# Altium PCB PM06-底层中央板-V1.PcbDoc
Units mm, origin at the board's own origin, x right, y up, seen from the top; angles counter-clockwise.
Board outline 94 x 55 mm, 2 copper layers (Top Layer, Bottom Layer); 20 components, 28 nets, 131 pads, 30 vias.
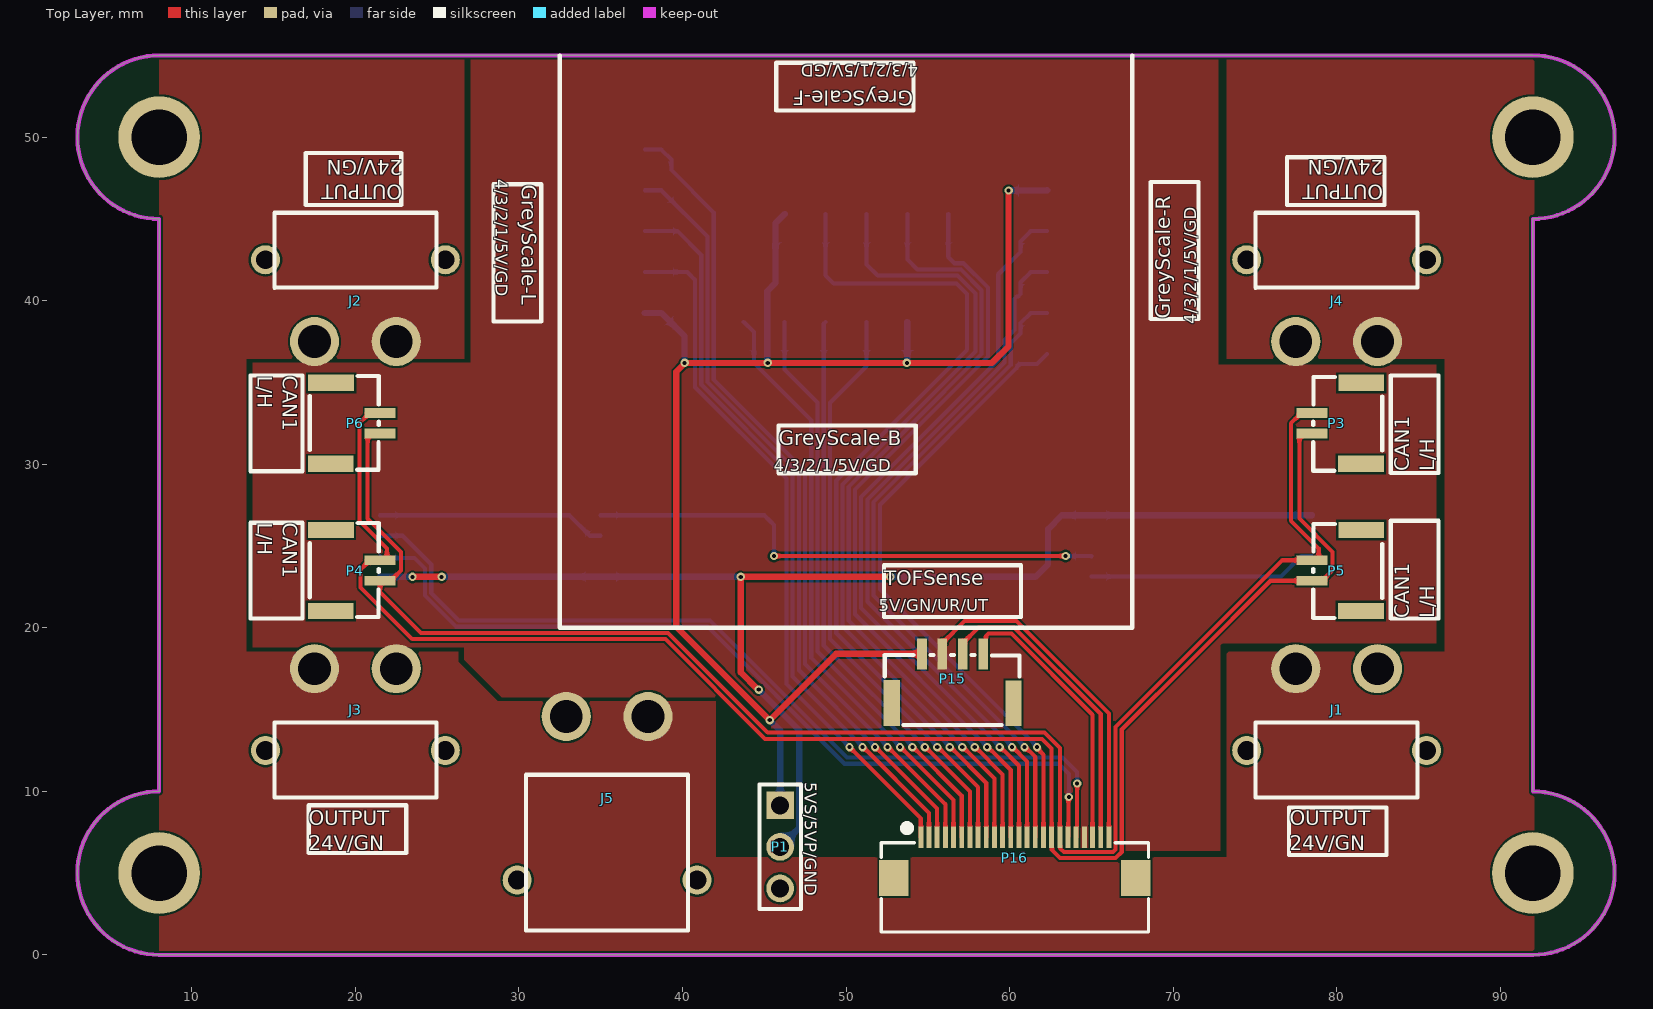
[diagram p0: Top Layer view]
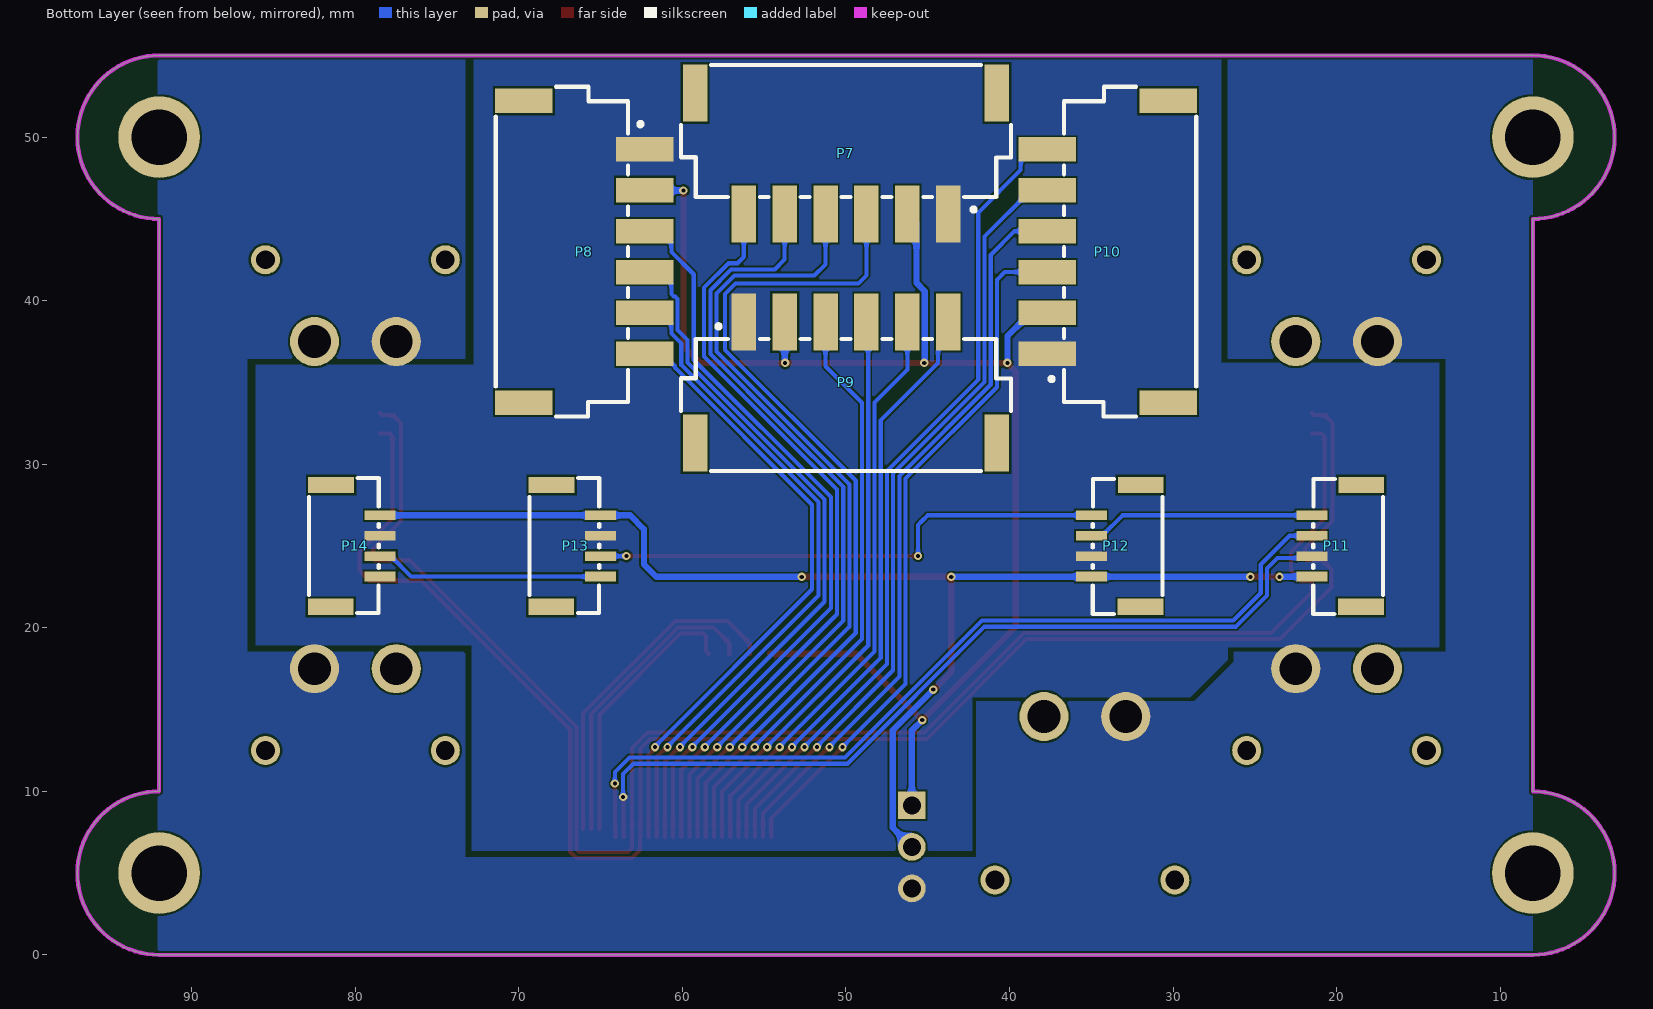
[diagram p1: Bottom Layer view, seen from below]
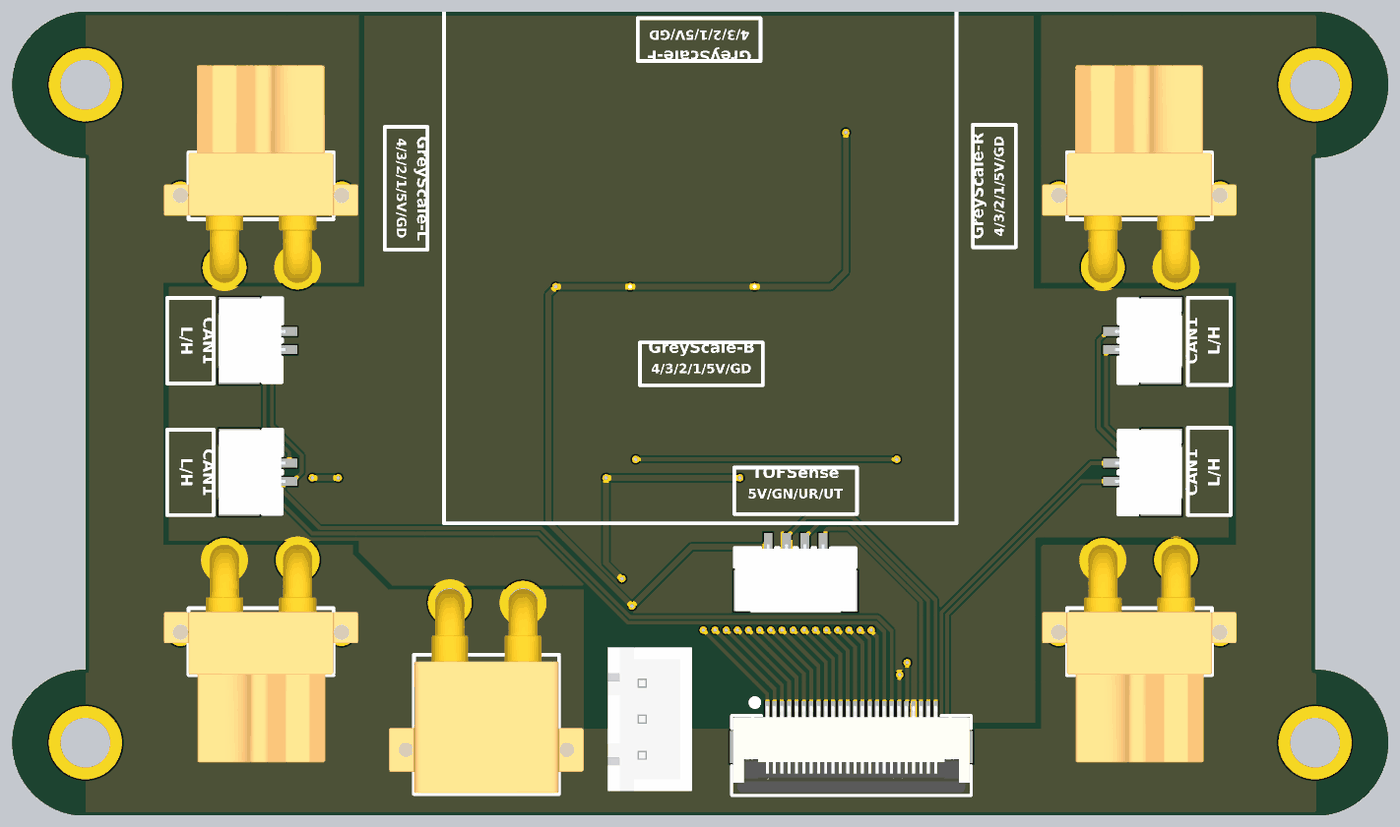
[diagram p2: 3D render of the assembled board from above, using the file's embedded part models]
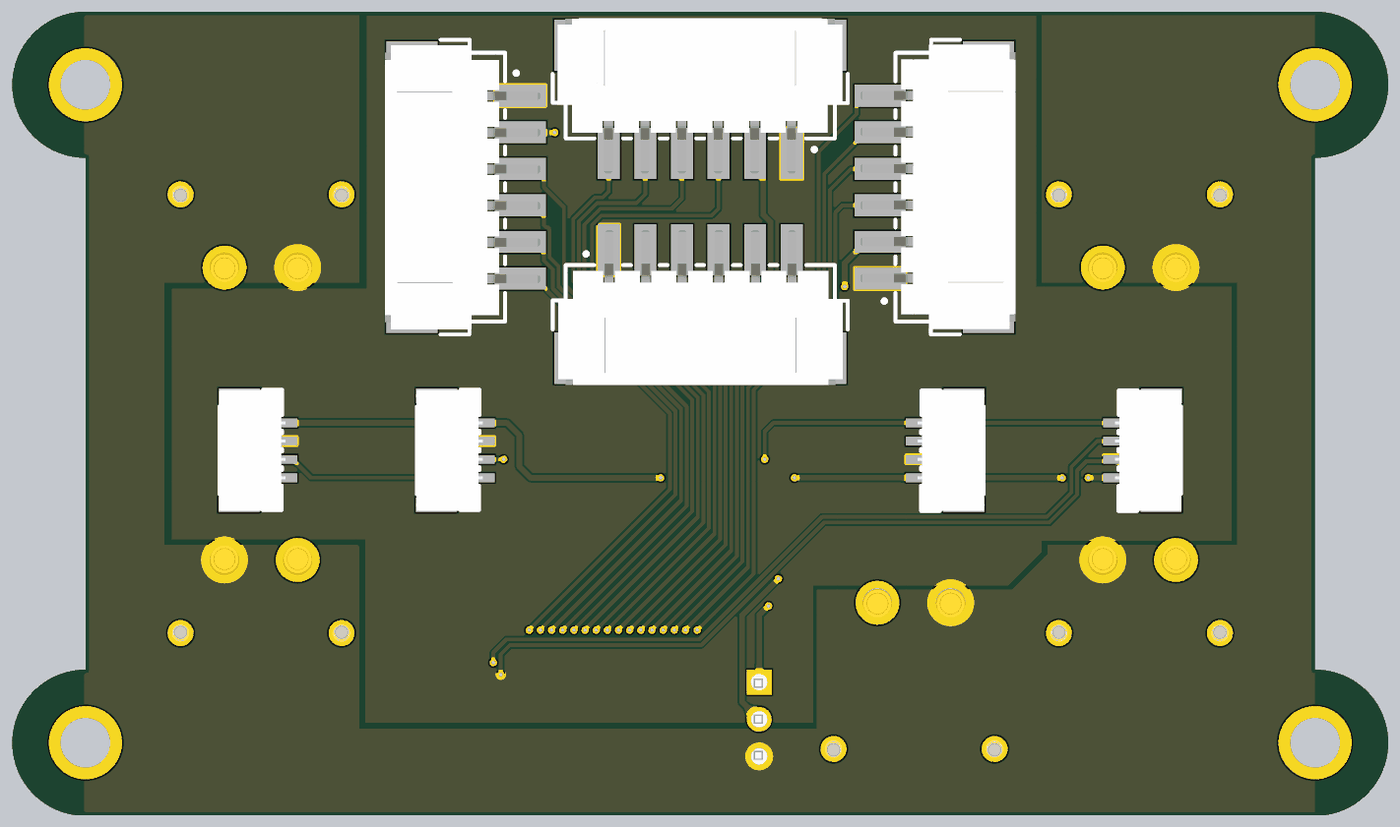
[diagram p3: 3D render of the assembled board from below, using the file's embedded part models]

## Layer stack, top to bottom
Top Solder: solder mask 0.0102, Solder Resist, Dk 3.5
Top Layer: signal copper 0.0356
Dielectric 1: dielectric 0.32, FR-4, Dk 4.8
Bottom Layer: signal copper 0.0356
Bottom Solder: solder mask 0.0102, Solder Resist, Dk 3.5

## Board outline
3,5 cw(c8,5) 8,10 8,45 cw(c8,50) 3,50 cw(c8,50) 8,55 92,55 cw(c92,50) 97,50 cw(c92,50) 92,45 92,10 cw(c92,5) 97,5 cw(c92,5) 92,0 8,0 cw(c8,5)

## Design rules (kind name [scope] priority, off if disabled: settings)
Clearance [All] p1: gap=0.127 ignorepadtopadclearanceinfootprint=FALSE
PolygonConnect [All] p1: connectstyle=Direct reliefconductorwidth=0.254 reliefentries=4 polygonreliefangle="90 Angle" airgapwidth=0.254
RoutingVias [All] p1: holewidth=0.254 width=0.508 viastyle="Through Hole" minholewidth=0.254 minwidth=0.508 maxholewidth=0.711 maxwidth=1.27
SolderMaskExpansion [All] p1: expansion=0.102 istentingtop=FALSE
Width [All] p1: maxlimit=0.762 minlimit=0.127 preferedwidth=0.254 minimp=50.000000 maximp=50.000000 favimp=50.000000
30 further rules are at their usual default settings.

## Components (designator, comment, footprint, x,y, rotation, side; value= is the part's Value field where it differs from the comment)
J1 "XT" XT30-PW-F 80,17.5 r180 top
J2 "XT" XT30-PW-F 20,37.5 r0 top
J3 "XT" XT30-PW-F 20,17.5 r180 top
J4 "XT" XT30-PW-F 80,37.5 r0 top
J5 "XT" XT30-PW-M 35.394,14.572 r180 top
P1 "XH2.54" XH2.54-PB-1*3 45.974,6.604 r270 top
P3 "GH1.25" GH1.25-PW-1*2 80,32.5 r90 top
P4 "GH1.25" GH1.25-PW-1*2 20,23.5 r270 top
P5 "GH1.25" GH1.25-PW-1*2 80,23.5 r90 top
P6 "GH1.25" GH1.25-PW-1*2 20,32.5 r270 top
P7 "XH2.54" XH2.54_AW_1*6 50,49 r0 bottom
P8 "XH2.54" XH2.54_AW_1*6 66,43 r270 bottom
P9 "XH2.54" XH2.54_AW_1*6 50,35 r180 bottom
P10 "XH2.54" XH2.54_AW_1*6 34,43 r90 bottom
P11 "GH1.25-4P" GH1.25-PW-1*4 20,25 r90 bottom
P12 "GH1.25-4P" GH1.25-PW-1*4 33.483,25 r90 bottom
P13 "GH1.25-4P" GH1.25-PW-1*4 66.517,25 r270 bottom
P14 "GH1.25-4P" GH1.25-PW-1*4 80,25 r270 bottom
P15 "GH1.25-4P" GH1.25-PW-1*4 56.515,16.891 r0 top
P16 "FPC24P" FPC0.5-WT-24P 60.325,4.699 r0 top

## Footprints (in the part's own frame and the unit in brackets; to place one, negate y for a bottom-side part, rotate by r counter-clockwise, add the part's x,y. Pads: shape width x height; smd on the part's side, far side on the other; paste and mask are expansions set on the pad)
FPC0.5-WT-24P [mm]
  rect 1.8x2.2 smd: 0(-7.4,0) 0(7.4,0)
  rect 0.3x1.3 smd: 1(-5.75,2.497) 2(-5.25,2.497) 3(-4.75,2.497) 4(-4.25,2.497) 5(-3.75,2.497) 6(-3.25,2.497) 7(-2.75,2.497) 8(-2.25,2.497) 9(-1.75,2.497) 10(-1.25,2.497) 11(-0.75,2.497) 12(-0.25,2.497) 13(0.25,2.497) 14(0.75,2.497) 15(1.25,2.497) 16(1.75,2.497) 17(2.25,2.497) 18(2.75,2.497) 19(3.25,2.497) 20(3.75,2.497) 21(4.25,2.497) 22(4.75,2.497) 23(5.25,2.497) 24(5.75,2.497)
  silkscreen extent -8.18,-3.3 8.18,3.23, body extent -8.1,-3.15 8.1,2.85, height 2
GH1.25-PW-1*2 [mm]
  rect 0.6x1.9 smd: 1(-0.625,1.513) 2(0.625,1.513)
  rect 1x2.8 smd: ""(-2.475,-1.488) ""(2.475,-1.513)
  silkscreen extent -2.9,-2.79 2.84,1.43, body extent -2.88,-2.89 2.88,1.67, height 4.14
GH1.25-PW-1*4 [mm]
  rect 0.6x1.9 smd: 1(-1.875,1.513) 2(-0.625,1.513) 3(0.625,1.513) 4(1.875,1.513)
  rect 1x2.8 smd: ""(-3.725,-1.488) ""(3.725,-1.513)
  silkscreen extent -4.15,-2.84 4.09,1.43, body extent -4.13,-2.89 4.13,1.66, height 4.14
XH2.54-PB-1*3 [mm]
  rect 1.7x1.7 hole 1.1: 1(-2.54,0)
  round 1.7 hole 1.1: 2(0,0) 3(2.54,0)
  silkscreen extent -3.81,-1.27 3.81,1.27, body extent -4.91,-2.29 4.91,3.46, height 7
XH2.54_AW_1*6 [mm]
  rect 1.5x3.5 smd: 1(-6.25,3.7) 2(-3.75,3.7) 3(-1.25,3.7) 4(1.25,3.7) 5(3.75,3.7) 6(6.25,3.7) ""(-9.23,-3.7) ""(9.23,-3.7)
  silkscreen extent -10.08,-5.42 10.08,3.56, body extent -9.7,-5.53 9.75,5.07, height 5.95
XT30-PW-F [mm]
  round 3 hole 2: 1(2.5,0) 2(-2.5,0)
  round 1.778 hole 1.143: 3(-5.5,5) 4(5.5,5)
  silkscreen extent -4.95,3.29 4.95,7.87, body extent -6.65,-1.06 6.65,13.84, height 5
XT30-PW-M [mm]
  round 3 hole 2: 1(-2.5,0) 2(2.5,0)
  round 1.778 hole 1.143: 3(5.5,10) 4(-5.5,10)
  silkscreen extent -4.95,3.56 4.95,13.08, body extent -6.65,-0.94 6.65,13.01, height 5

## Part data
J1 J2 J3 J4 J5: library part 接口_XT
P1: library part 接插件1*3
P3 P4 P5 P6: library part 接插件1*2
P7 P8 P9 P10: library part 接插件1*6
P11 P12 P13 P14 P15: library part 接插件1*4
P16: library part 接插件1*24

## Free pads (board coordinates)
  round 5 hole 3.4: ""(8,5) ""(8,50) ""(92,5) ""(92,50)

## Via types
v1: diameter 0.508, hole 0.254, Top Layer to Bottom Layer, 30 vias

## Nets (pads, with @x,y where several pads share a name; then routed paths per layer and width w, separated by ;. In a path a pad name is that pad's centre, name@x,y a point inside that pad or via, vN(x,y) a via of type N, cw(c..) or ccw(c..) an arc to the next point about the centre after c; other vN are vias at no path point)
+5V-P: P1.2 P11.1 P12.1 P13.1 P14.1 | length 78.3
  Top Layer w0.381: v1(23.495,23.114) v1(25.273,23.114) ; v1(44.662,16.214) 44.628,16.214 44.586,16.256 44.577,16.256 43.561,17.272 v1(43.561,23.114) v1(52.705,23.114)
  Bottom Layer w0.254: v1@23.484,23.125 v1(23.495,23.114)
  Bottom Layer w0.381: P11.1 v1@23.484,23.125 ; v1(25.273,23.114) 25.284,23.125 P12.1 35.001,23.12 43.555,23.12 v1(43.561,23.114) ; v1(44.662,16.214) 47.141,13.735 47.141,7.771 P1.2 ; v1(52.705,23.114) 61.595,23.114 62.357,23.876 62.357,26.035 63.197,26.875 P13.1 P14.1
+5V-S: P1.1 P7.2 P8.2 P9.2 P10.2 P15.1 | length 89.7
  Top Layer w0.381: P15.1 49.392,18.404 v1(45.339,14.351) 39.624,20.066 39.624,35.653 40.132,36.161 v1(40.132,36.195) v1(45.212,36.195) v1(53.721,36.195) 58.928,36.195 59.944,37.211 v1(59.944,46.736)
  Bottom Layer w0.381: P10.2 38.7,39.25 40.132,37.818 v1(40.132,36.195) ; v1(45.212,36.195) 45.212,36.229 45.182,36.259 45.182,40.582 45.69,41.089 45.69,44.74 P7.2 ; v1(45.339,14.351) 45.974,13.716 P1.1 ; v1(53.721,36.195) 53.75,36.224 P9.2 ; v1(59.944,46.736) 62.286,46.736 P8.2
+24V: J1.1 J2.1 J3.1 J4.1 J5.1
A1: P7.3 P16.9 | length 53.2
  Top Layer w0.254: v1(56.344,12.7) 56.388,12.7 58.575,10.513 P16.9
  Bottom Layer w0.254: P7.3 48.75,41.551 49.248,41.053 56.756,41.053 57.404,40.405 57.404,36.995 49.403,28.994 49.403,19.685 56.344,12.744 v1(56.344,12.7)
A2: P7.4 P16.10 | length 51
  Top Layer w0.254: v1(57.106,12.7) 57.15,12.7 59.075,10.775 P16.10
  Bottom Layer w0.254: P7.4 51.25,42.222 51.943,41.529 56.819,41.529 57.912,40.436 57.912,36.892 49.784,28.764 49.784,20.066 57.106,12.744 v1(57.106,12.7)
A3: P7.5 P16.11 | length 48.8
  Top Layer w0.254: v1(57.868,12.7) 57.912,12.7 59.575,11.037 P16.11
  Bottom Layer w0.254: P7.5 53.75,42.516 54.356,41.91 57.023,41.91 58.293,40.64 58.293,36.734 53.817,32.258 50.165,28.606 50.165,20.447 57.868,12.744 v1(57.868,12.7)
A4: P7.6 P16.12 | length 46.8
  Top Layer w0.254: v1(58.63,12.7) 58.674,12.7 60.075,11.299 P16.12
  Bottom Layer w0.254: P7.6 56.25,42.683 56.642,42.291 57.181,42.291 58.674,40.798 58.674,36.576 53.911,31.813 50.546,28.448 50.546,20.828 58.63,12.744 v1(58.63,12.7)
B1: P8.3 P16.13 | length 46.4
  Top Layer w0.254: v1(59.392,12.7) 59.436,12.7 60.575,11.561 P16.13
  Bottom Layer w0.254: v1(59.392,12.7) 59.392,12.744 50.927,21.209 50.927,27.993 59.309,36.375 59.309,41.618 60.677,42.986 60.677,43.627 61.3,44.25 P8.3
B2: P8.4 P16.14 | length 43.8
  Top Layer w0.254: v1(60.154,12.7) 60.198,12.7 61.075,11.823 P16.14
  Bottom Layer w0.254: v1(60.154,12.7) 60.154,12.744 51.308,21.59 51.308,27.835 59.69,36.217 59.69,37.592 60.296,38.198 60.296,40.105 60.445,40.254 60.528,40.254 60.677,40.403 60.677,41.127 61.3,41.75 P8.4
B3: P8.5 P16.15 | length 41.2
  Top Layer w0.254: v1(60.916,12.7) 60.96,12.7 61.575,12.085 P16.15
  Bottom Layer w0.254: v1(60.916,12.7) 60.916,12.744 51.689,21.971 51.689,27.678 60.071,36.06 60.071,37.38 60.677,37.986 60.677,38.627 61.3,39.25 P8.5
B4: P8.6 P16.16 | length 38.6
  Top Layer w0.254: v1(61.678,12.7) 61.678,12.631 62.075,12.235 P16.16
  Bottom Layer w0.254: v1(61.678,12.7) 61.678,12.744 52.07,22.352 52.07,27.52 60.452,35.902 60.452,35.978 60.601,36.127 61.677,36.127 P8.6
C1: P9.3 P16.8 | length 36.2
  Top Layer w0.254: v1(55.582,12.7) 55.626,12.7 58.075,10.251 P16.8
  Bottom Layer w0.254: P9.3 51.25,35.988 49.022,33.76 49.022,19.304 55.582,12.744 v1(55.582,12.7)
C2: P9.4 P16.7 | length 35.3
  Top Layer w0.254: v1(54.82,12.7) 54.864,12.7 57.575,9.989 P16.7
  Bottom Layer w0.254: P9.4 48.641,38.591 48.641,18.923 54.82,12.744 v1(54.82,12.7)
C3: P9.5 P16.6 | length 36
  Top Layer w0.254: v1(54.058,12.7) 54.102,12.7 57.075,9.727 P16.6
  Bottom Layer w0.254: P9.5 46.25,35.792 48.26,33.782 48.26,18.542 54.058,12.744 v1(54.058,12.7)
C4: P9.6 P16.5 | length 36.8
  Top Layer w0.254: v1(53.296,12.7) 53.34,12.7 56.575,9.465 P16.5
  Bottom Layer w0.254: P9.6 44.373,38.077 44.373,36.189 47.879,32.683 47.879,18.161 53.296,12.744 v1(53.296,12.7)
CAN_H: P3.2 P4.2 P5.2 P6.2 P16.18 | length 102
  Top Layer w0.254: P6.2 20.922,31.875 20.749,31.702 20.749,26.67 22.78,24.639 22.78,23.492 22.163,22.875 P4.2 21.513,22.194 24.021,19.685 39.116,19.685 45.212,13.589 62.134,13.589 63.075,12.648 63.075,6.696 63.098,6.673 63.098,6.514 63.32,6.292 66.33,6.292 66.479,6.441 66.479,13.932 76.672,24.125 78.793,24.125 78.903,24.235 78.903,24.856 77.22,26.539 77.22,32.508 77.728,33.016 78.378,33.016 P3.2
CAN_L: P3.1 P4.1 P5.1 P6.1 P16.17 | length 105
  Top Layer w0.254: P6.1 21.403,33.015 20.753,33.015 20.245,32.507 20.245,26.539 21.928,24.856 21.928,24.234 21.818,24.125 P4.1 20.863,24.125 20.309,23.571 20.309,22.47 23.474,19.304 38.958,19.304 45.054,13.208 61.976,13.208 62.575,12.609 P16.17 62.598,7.173 62.598,6.402 63.089,5.911 66.488,5.911 66.86,6.283 66.86,13.774 71.247,18.161 75.961,22.875 P5.1 79.137,22.875 79.755,23.493 79.755,24.639 77.724,26.67 77.724,31.702 77.897,31.875 P3.1
D1: P10.3 P16.1 | length 43.1
  Top Layer w0.254: v1(50.214,12.7) 54.575,8.34 P16.1
  Bottom Layer w0.254: P10.3 40.292,41.75 40.767,41.275 40.767,34.706 46.355,29.118 46.355,16.559 v1(50.214,12.7)
D2: P10.4 P16.2 | length 45.4
  Top Layer w0.254: v1(51.01,12.7) 51.054,12.7 55.075,8.679 P16.2
  Bottom Layer w0.254: P10.4 39.697,44.25 41.148,42.799 41.148,34.863 46.736,29.275 46.736,17.018 51.01,12.744 v1(51.01,12.7)
D3: P10.5 P16.3 | length 47.6
  Top Layer w0.254: v1(51.772,12.7) 51.816,12.7 55.575,8.941 P16.3
  Bottom Layer w0.254: P10.5 38.7,46.75 41.529,43.921 41.529,35.021 47.117,29.433 47.117,17.399 51.772,12.744 v1(51.772,12.7)
D4: P10.6 P16.4 | length 50.3
  Top Layer w0.254: v1(52.534,12.7) 52.578,12.7 56.075,9.203 P16.4
  Bottom Layer w0.254: P10.6 38.7,49.25 39.323,48.627 39.323,47.986 41.91,45.399 41.91,35.179 47.498,29.591 47.498,17.78 52.534,12.744 v1(52.534,12.7)
GND: J1.2 J2.2 J3.2 J4.2 J5.2 P1.3 P7.1 P8.1 P9.1 P10.1 P11.2 P12.2 P13.2 P14.2 P15.2 P16.19 P16.21 P16.24 | length 73.3
  Top Layer w0.254: P15.2 55.89,19.054 57.242,20.405 60.428,20.405 66.075,14.759 P16.24@66.075,7.704 ; P16.19 63.598,7.219 63.598,9.623 v1(63.627,9.652)
  Bottom Layer w0.254: P11.2 21.631,24.257 23.622,24.257 24.257,23.622 24.257,21.971 26.162,20.066 41.529,20.066 49.911,11.684 62.992,11.684 63.627,11.049 v1(63.627,9.652)
LED_Din: P11.3 P16.20 | length 53.6
  Top Layer w0.254: P16.20 64.098,7.219 64.098,7.831 64.135,7.868 v1(64.135,10.477)
  Bottom Layer w0.254: P11.3 22.889,25.625 24.638,23.876 24.638,22.129 26.32,20.447 41.687,20.447 50.069,12.065 63.246,12.065 64.135,11.176 v1(64.135,10.477)
NetP11_4: P11.4 P12.3 | length 14
  Bottom Layer w0.254: P11.4 33.096,26.875 34.346,25.625 P12.3
NetP12_4: P12.4 P13.3 | length 32.2
  Top Layer w0.254: v1(45.593,24.384) v1(63.431,24.384)
  Bottom Layer w0.254: P12.4 45.007,26.875 45.339,26.543 45.593,26.289 v1(45.593,24.384) ; v1(63.431,24.384) 63.436,24.379 65,24.379 P13.3
NetP13_4: P13.4 P14.3 | length 14
  Bottom Layer w0.254: P13.4 76.587,23.125 77.837,24.375 P14.3
U_RX: P15.3 P16.23 | length 18.7
  Top Layer w0.254: P15.3 57.14,19.054 58.111,20.024 60.271,20.024 65.575,14.72 P16.23@65.575,7.704
U_TX: P15.4 P16.22 | length 16.8
  Top Layer w0.254: P15.4 58.563,18.577 58.563,19.494 58.712,19.643 60.113,19.643 65.075,14.681 P16.22@65.075,7.704
pads on no net: J1.3 J1.4 J2.3 J2.4 J3.3 J3.4 J4.3 J4.4 J5.3 J5.4 P3. P4. P5. P6. P7. P8. P9. P10. P11. P12. P13. P14. P14.4 P15. P16.0

## Polygon pours and split planes (outlines as drawn)
GND on Top Layer "NONET_L01_P-001" (solid, remove dead copper, pour order 3): 27.051,54.737 27.051,36.195 13.716,36.195 13.716,18.796 26.67,18.796 26.67,18.034 28.956,15.748 42.291,15.748 42.291,6.858 42.291,6.35 43.307,6.35 72.898,6.35 72.898,18.923 73.025,19.05 86.106,19.05 86.106,36.068 72.771,36.068 72.771,54.737
+24V on Top Layer "NONET_L01_P-001" (solid, pour order 2): 73.279,55.118 73.279,36.449 86.614,36.449 86.614,18.542 73.406,18.542 73.279,18.415 73.279,5.969 42.037,5.969 42.037,15.494 28.702,15.494 26.289,17.907 26.289,18.542 13.335,18.542 13.335,36.449 26.67,36.449 26.67,54.991 8.255,54.991 8.001,54.737 8.001,0 92.075,0 92.075,55.118
GND on Bottom Layer "NONET_L01_P-001" (solid, remove dead copper, pour order 4): 27.051,54.737 27.051,36.195 13.716,36.195 13.716,18.796 26.67,18.796 26.67,18.034 28.956,15.748 42.291,15.748 42.291,6.858 42.291,6.35 43.307,6.35 72.898,6.35 72.898,18.923 86.106,18.923 86.106,36.068 72.771,36.068 72.771,54.737
GND on Bottom Layer "NONET_L01_P-001" (solid, pour order 1): 73.279,55.118 73.279,36.449 86.614,36.449 86.614,18.542 73.406,18.542 73.279,18.415 73.279,5.969 42.037,5.969 42.037,15.494 28.702,15.494 26.289,17.907 26.289,18.542 13.335,18.542 13.335,36.449 26.67,36.449 26.67,54.991 8.255,54.991 8.001,54.737 8.001,0 92.075,0 92.075,55.118

## Keep-outs
Keep-Out Layer:
  the board outline again, w0.254

## Silkscreen, mask and mechanical layers (free items; w line width, h text height)
Top Overlay:
  lines w0.254: 32.5,55 32.5,20 67.5,20 67.5,55 ; 13.589,20.574 16.764,20.574 16.764,26.416 13.589,26.416 13.589,20.574 ; 13.589,29.574 16.764,29.574 16.764,35.416 13.589,35.416 13.589,29.574 ; 16.962,45.847 16.962,49.022 22.804,49.022 22.804,45.847 16.962,45.847 ; 17.145,6.223 17.145,9.144 23.114,9.144 23.114,6.223 17.145,6.223 ; 28.448,38.735 28.448,47.117 31.369,47.117 31.369,38.735 28.448,38.735 ; 45.735,51.631 54.117,51.631 54.117,54.552 45.735,54.552 45.735,51.631 ; 45.883,29.448 54.265,29.448 54.265,32.369 45.883,32.369 45.883,29.448 ; 52.324,20.647 52.324,23.822 60.706,23.822 60.706,20.647 52.324,20.647 ; 68.631,38.883 68.631,47.265 71.552,47.265 71.552,38.883 68.631,38.883 ; 76.962,45.847 82.931,45.847 82.931,48.768 76.962,48.768 76.962,45.847 ; 77.089,6.096 77.089,9.017 83.058,9.017 83.058,6.096 77.089,6.096 ; 83.312,20.574 86.233,20.574 86.233,26.543 83.312,26.543 83.312,20.574 ; 83.312,29.464 86.233,29.464 86.233,35.433 83.312,35.433 83.312,29.464
  text "4/3/2/1/5V/GD" at 54.432,54.664 h1.27 r180
  text "GreyScale-F" at 54.102,53.14 h1.52 r180
  text "24V/GN" at 22.855,48.904 h1.52 r180
  text "24V/GN" at 82.855,48.904 h1.52 r180
  text "4/3/2/1/5V/GD" at 28.336,47.432 h1.27 r270
  text "OUTPUT" at 22.855,47.38 h1.52 r180
  text "OUTPUT" at 82.855,47.38 h1.52 r180
  text "GreyScale-L" at 29.86,47.102 h1.52 r270
  text "GreyScale-R" at 70.14,38.898 h1.52 r90
  text "4/3/2/1/5V/GD" at 71.664,38.568 h1.27 r90
  text "L/H" at 13.716,35.416 h1.52 r270
  text "CAN1" at 15.24,35.416 h1.52 r270
  text "GreyScale-B" at 45.898,30.86 h1.52
  text "CAN1" at 84.76,29.584 h1.52 r90
  text "L/H" at 86.284,29.584 h1.52 r90
  text "4/3/2/1/5V/GD" at 45.568,29.336 h1.27
  text "L/H" at 13.716,26.416 h1.52 r270
  text "CAN1" at 15.24,26.416 h1.52 r270
  text "TOFSense" at 52.324,22.298 h1.52
  text "5V/GN/UR/UT" at 51.994,20.774 h1.27
  text "CAN1" at 84.76,20.584 h1.52 r90
  text "L/H" at 86.284,20.584 h1.52 r90
  text "5VS/5VP/GND" at 47.244,10.541 h1.27 r270
  text "OUTPUT" at 17.145,7.62 h1.52
  text "OUTPUT" at 77.145,7.62 h1.52
  text "24V/GN" at 17.145,6.096 h1.52
  text "24V/GN" at 77.145,6.096 h1.52